# Altium PCB RezzGlasses.PcbDoc
Units mm, origin at the board's own origin, x right, y up, seen from the top; angles counter-clockwise.
Board outline 66 x 66 mm, 2 copper layers (Top Layer, Bottom Layer); 122 components, 69 nets, 366 pads, 239 vias.
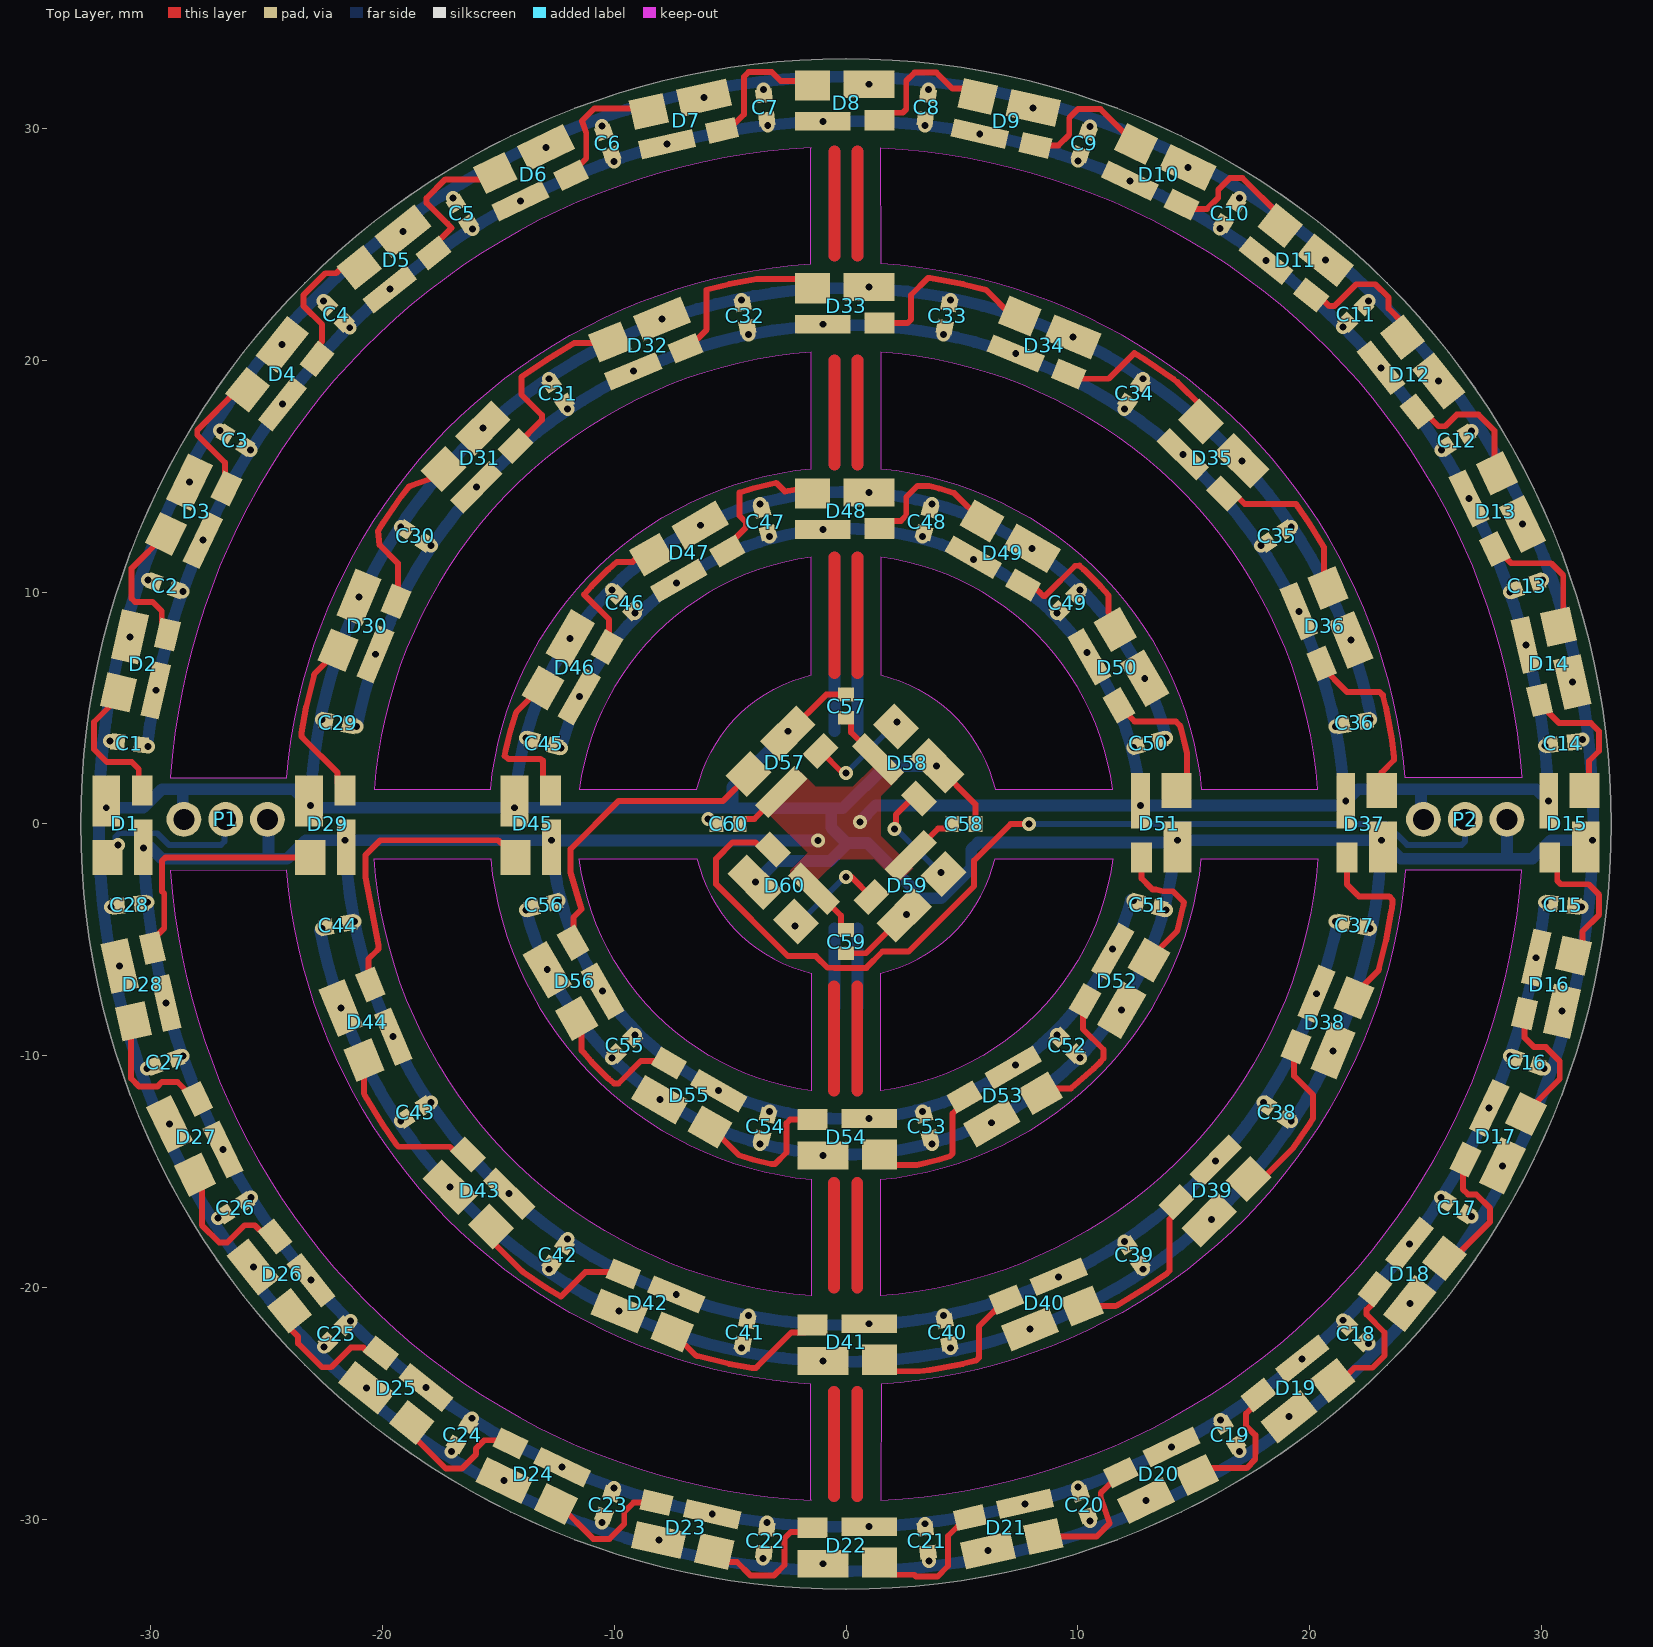
[diagram p0: Top Layer view]
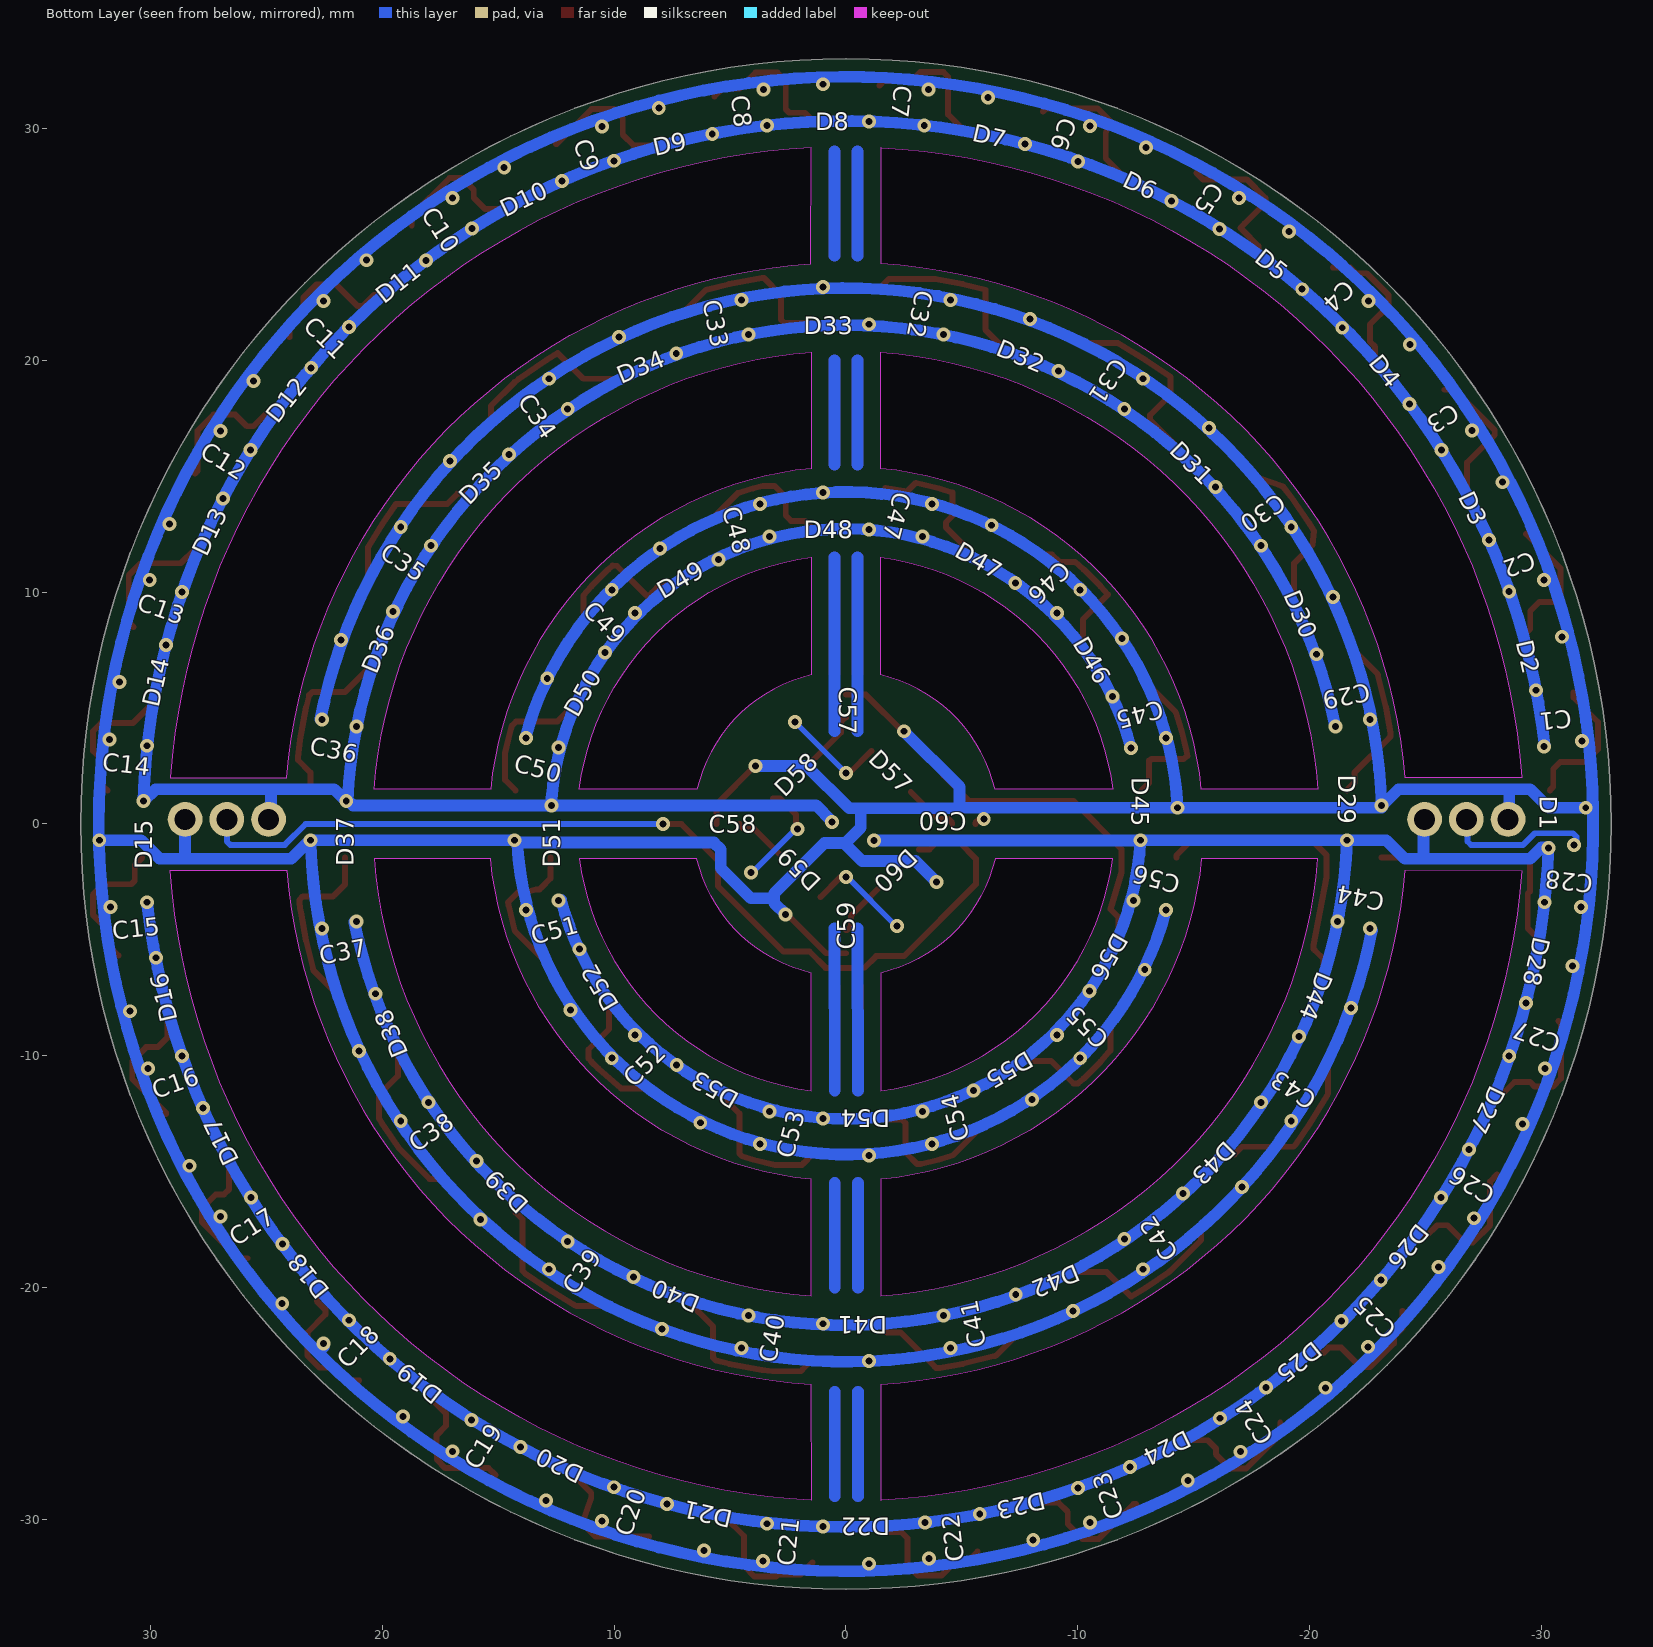
[diagram p1: Bottom Layer view, seen from below]
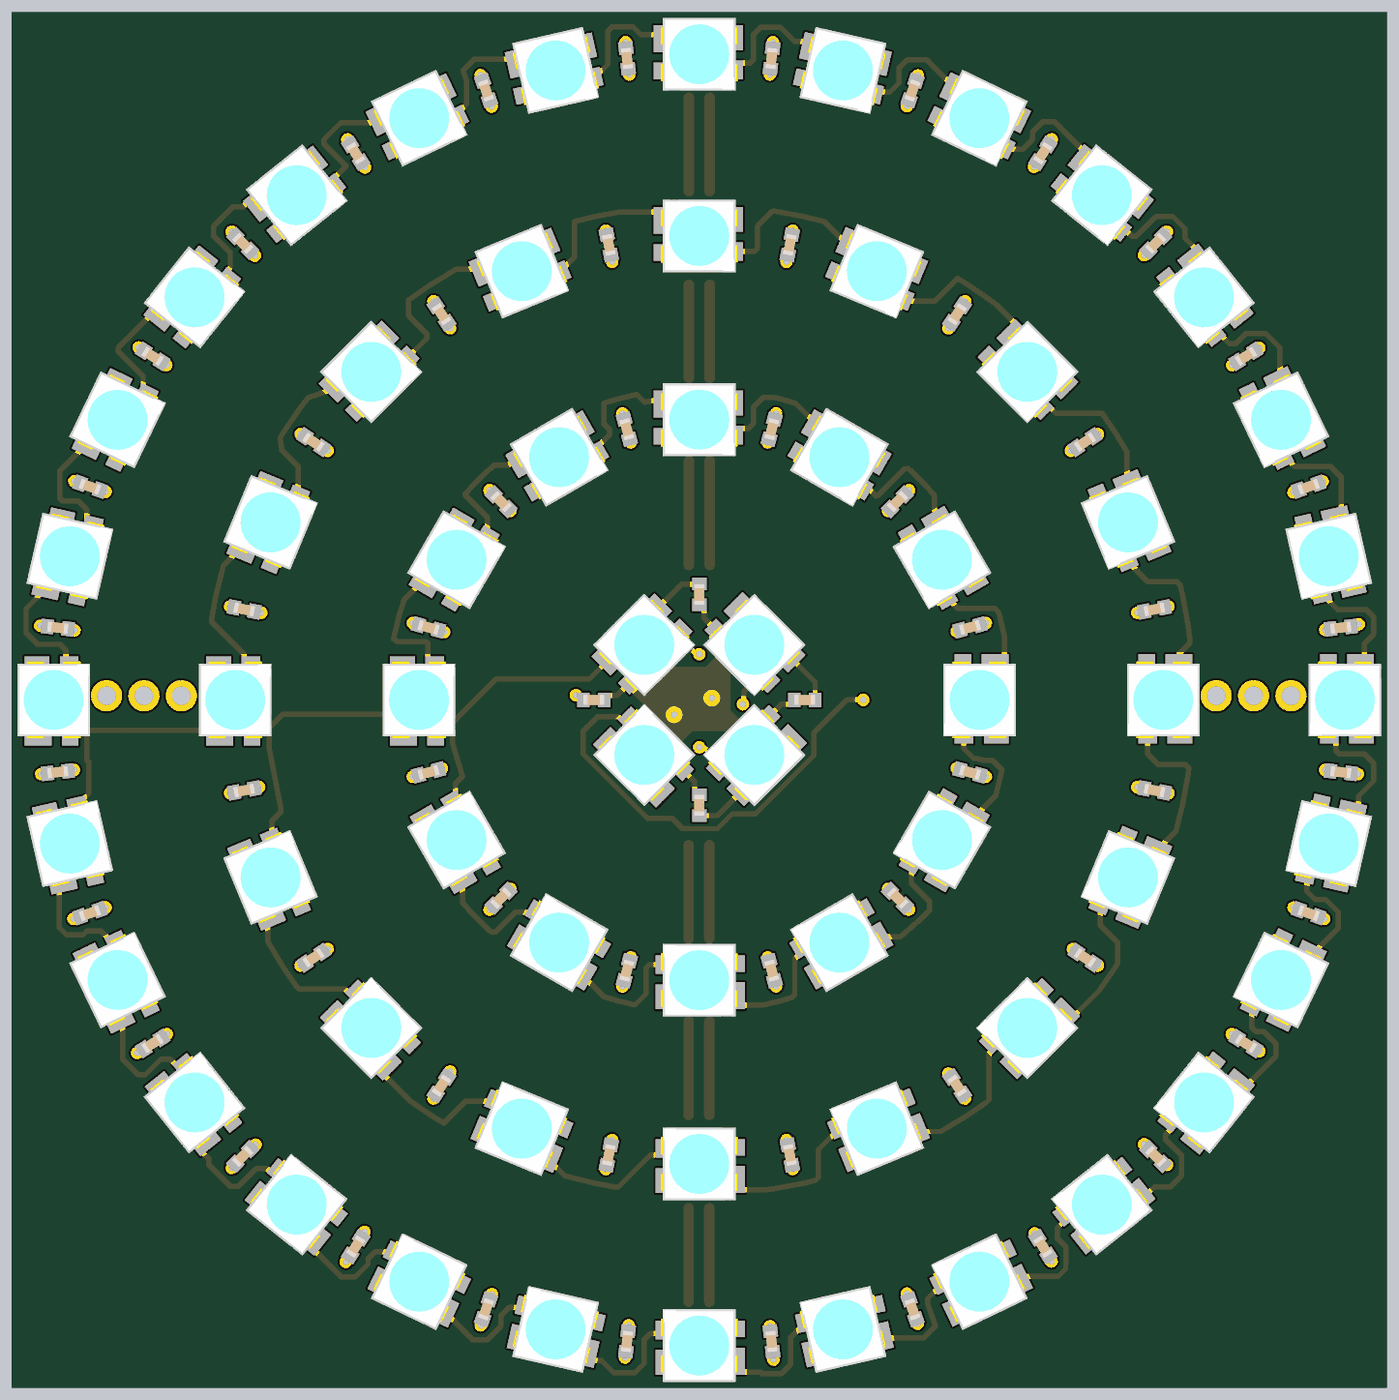
[diagram p2: 3D render of the assembled board from above, using the file's embedded part models]

## Layer stack, top to bottom
Top Solder: solder mask 0.0102, Solder Resist, Dk 3.5
Top Layer: signal copper 0.0356
Dielectric 1: dielectric 0.32, FR-4, Dk 4.8
Bottom Layer: signal copper 0.0356
Bottom Solder: solder mask 0.0102, Solder Resist, Dk 3.5

## Board outline
0,-33 cw(c0,0) -33,0 cw(c0,0) 0,33 cw(c0,0) 33,0 cw(c0,0)
cut-out: -29.131,2 -24.116,2 -24.116,2.01 cw(c0,0) -1.51,24.153 -1.51,29.16 -1.508,29.161 ccw(c0,0)
cut-out: 1.508,-29.161 ccw(c0,0) 29.131,-2.009 29.131,-2 24.116,-2 24.116,-2.01 cw(c0,0) 1.51,-24.153
cut-out: 1.508,29.161 cw(c0,0) 29.131,2.009 29.131,2 24.116,2 24.116,2.01 ccw(c0,0) 1.51,24.153
cut-out: -29.131,-2.009 ccw(c0,0) -1.508,-29.161 -1.51,-29.16 -1.51,-24.153 cw(c0,0) -24.116,-2.01 -24.116,-2
cut-out: -20.345,1.5 -15.327,1.5 cw(c0,0) -1.5,15.327 -1.5,20.345 ccw(c0,0)
cut-out: 1.5,15.327 cw(c0,0) 15.327,1.5 20.345,1.5 ccw(c0,0) 1.5,20.345
cut-out: 1.5,6.427 cw(c0,0) 6.427,1.5 11.502,1.5 11.503,1.5 ccw(c0,0) 1.5,11.503 1.5,11.502
cut-out: -11.502,1.5 -6.427,1.5 cw(c0,0) -1.5,6.427 -1.5,11.502 -1.5,11.503 ccw(c0,0)
cut-out: -1.5,-20.345 cw(c0,0) -20.345,-1.5 -15.327,-1.5 ccw(c0,0) -1.5,-15.327
cut-out: -1.5,-11.503 cw(c0,0) -11.503,-1.5 -11.502,-1.5 -6.427,-1.5 ccw(c0,0) -1.5,-6.427
cut-out: 1.5,-11.502 1.5,-6.427 ccw(c0,0) 6.427,-1.5 11.502,-1.5 11.503,-1.5 cw(c0,0)
cut-out: 1.5,-20.345 1.5,-15.327 ccw(c0,0) 15.327,-1.5 20.345,-1.5 cw(c0,0)

## Design rules (kind name [scope] priority, off if disabled: settings)
Clearance [All] p1: gap=0.203 ignorepadtopadclearanceinfootprint=FALSE
MinimumSolderMaskSliver [All] p1: minsoldermaskwidth=0.076
PolygonConnect [All] p1: connectstyle=Direct reliefconductorwidth=0.254 reliefentries=4 polygonreliefangle="90 Angle" airgapwidth=0.254
RoutingVias [All] p1: holewidth=0.711 width=1.27 viastyle="Through Hole" minholewidth=0.711 minwidth=1.27 maxholewidth=0.711 maxwidth=1.27
SolderMaskExpansion [All] p1: expansion=0.102 istentingtop=FALSE
Width [All] p1: maxlimit=1.27 minlimit=0.254 preferedwidth=0.254
29 further rules are at their usual default settings.

## Classes and differential pairs
component class LEDChain2: C41 C42 C43 C44 C45 C46 C47 C48 C49 C50 C51 C52 C53 C54 C55 C56 C57 C58 C59 C60 D41 D42 D43 D44 D45 D46 D47 D48 D49 D50 D51 D52 D53 D54 D55 D56 D57 D58 D59 D60 P1 P2
component class LEDChain1: C1 C2 C3 C4 C5 C6 C7 C8 C9 C10 C11 C12 C13 C14 C15 C16 C17 C18 C19 C20 C21 C22 C23 C24 C25 C26 C27 C28 C29 C30 C31 C32 C33 C34 C35 C36 C37 C38 C39 C40 D1 D2 D3 D4 D5 D6 D7 D8 D9 D10 D11 D12 D13 D14 D15 D16 D17 D18 D19 D20 D21 D22 D23 D24 D25 D26 D27 D28 D29 D30 D31 D32 D33 D34 D35 D36 D37 D38 D39 D40

## Components (designator, comment, footprint, x,y, rotation, side; value= is the part's Value field where it differs from the comment)
C1 "100nF" 0402_CAP -30.9,3.48 r173.57 top
C2 "100nF" 0402_CAP -29.35,10.27 r160.71 top
C3 "100nF" 0402_CAP -26.33,16.55 r147.86 top
C4 "100nF" 0402_CAP -21.99,21.99 r135 top
C5 "100nF" 0402_CAP -16.55,26.33 r122.14 top
C6 "100nF" 0402_CAP -10.27,29.35 r109.29 top
C7 "100nF" 0402_CAP -3.48,30.9 r96.43 top
C8 "100nF" 0402_CAP 3.48,30.9 r83.57 top
C9 "100nF" 0402_CAP 10.27,29.35 r70.71 top
C10 "100nF" 0402_CAP 16.55,26.33 r57.86 top
C11 "100nF" 0402_CAP 21.99,21.99 r45 top
C12 "100nF" 0402_CAP 26.33,16.55 r32.14 top
C13 "100nF" 0402_CAP 29.35,10.27 r19.29 top
C14 "100nF" 0402_CAP 30.9,3.48 r6.43 top
C15 "100nF" 0402_CAP 30.9,-3.48 r353.57 top
C16 "100nF" 0402_CAP 29.35,-10.27 r340.71 top
C17 "100nF" 0402_CAP 26.33,-16.55 r327.86 top
C18 "100nF" 0402_CAP 21.99,-21.99 r315 top
C19 "100nF" 0402_CAP 16.55,-26.33 r302.14 top
C20 "100nF" 0402_CAP 10.27,-29.35 r289.29 top
C21 "100nF" 0402_CAP 3.48,-30.9 r276.43 top
C22 "100nF" 0402_CAP -3.48,-30.9 r263.57 top
C23 "100nF" 0402_CAP -10.27,-29.35 r250.71 top
C24 "100nF" 0402_CAP -16.55,-26.33 r237.86 top
C25 "100nF" 0402_CAP -21.99,-21.99 r225 top
C26 "100nF" 0402_CAP -26.33,-16.55 r212.14 top
C27 "100nF" 0402_CAP -29.35,-10.27 r199.29 top
C28 "100nF" 0402_CAP -30.9,-3.48 r186.43 top
C29 "100nF" 0402_CAP -21.92,4.36 r168.75 top
C30 "100nF" 0402_CAP -18.58,12.42 r146.25 top
C31 "100nF" 0402_CAP -12.42,18.58 r123.75 top
C32 "100nF" 0402_CAP -4.36,21.92 r101.25 top
C33 "100nF" 0402_CAP 4.36,21.92 r78.75 top
C34 "100nF" 0402_CAP 12.42,18.58 r56.25 top
C35 "100nF" 0402_CAP 18.58,12.42 r33.75 top
C36 "100nF" 0402_CAP 21.92,4.36 r11.25 top
C37 "100nF" 0402_CAP 21.92,-4.36 r348.75 top
C38 "100nF" 0402_CAP 18.58,-12.42 r326.25 top
C39 "100nF" 0402_CAP 12.42,-18.58 r303.75 top
C40 "100nF" 0402_CAP 4.36,-21.92 r281.25 top
C41 "100nF" 0402_CAP -4.36,-21.92 r258.75 top
C42 "100nF" 0402_CAP -12.42,-18.58 r236.25 top
C43 "100nF" 0402_CAP -18.58,-12.42 r213.75 top
C44 "100nF" 0402_CAP -21.92,-4.36 r191.25 top
C45 "100nF" 0402_CAP -13.04,3.49 r165 top
C46 "100nF" 0402_CAP -9.55,9.55 r135 top
C47 "100nF" 0402_CAP -3.49,13.04 r105 top
C48 "100nF" 0402_CAP 3.49,13.04 r75 top
C49 "100nF" 0402_CAP 9.55,9.55 r45 top
C50 "100nF" 0402_CAP 13.04,3.49 r15 top
C51 "100nF" 0402_CAP 13.04,-3.49 r345 top
C52 "100nF" 0402_CAP 9.55,-9.55 r315 top
C53 "100nF" 0402_CAP 3.49,-13.04 r285 top
C54 "100nF" 0402_CAP -3.49,-13.04 r255 top
C55 "100nF" 0402_CAP -9.55,-9.55 r225 top
C56 "100nF" 0402_CAP -13.04,-3.49 r195 top
C57 "100nF" 0402_CAP 0,5.08 r90 top
C58 "100nF" 0402_CAP 5.08,0 r0 top
C59 "100nF" 0402_CAP 0,-5.072 r270 top
C60 "100nF" 0402_CAP -5.08,0 r180 top
D1 "Neopixel Mini" "SK6812 (3535)" -31.1,0 r90 top
D2 "Neopixel Mini" "SK6812 (3535)" -30.32,6.92 r77.14 top
D3 "Neopixel Mini" "SK6812 (3535)" -28.02,13.49 r64.28 top
D4 "Neopixel Mini" "SK6812 (3535)" -24.31,19.39 r51.43 top
D5 "Neopixel Mini" "SK6812 (3535)" -19.39,24.31 r38.57 top
D6 "Neopixel Mini" "SK6812 (3535)" -13.49,28.02 r25.71 top
D7 "Neopixel Mini" "SK6812 (3535)" -6.92,30.32 r12.86 top
D8 "Neopixel Mini" "SK6812 (3535)" 0,31.1 r0 top
D9 "Neopixel Mini" "SK6812 (3535)" 6.92,30.32 r347.14 top
D10 "Neopixel Mini" "SK6812 (3535)" 13.49,28.02 r334.29 top
D11 "Neopixel Mini" "SK6812 (3535)" 19.39,24.31 r321.43 top
D12 "Neopixel Mini" "SK6812 (3535)" 24.31,19.39 r308.57 top
D13 "Neopixel Mini" "SK6812 (3535)" 28.02,13.49 r295.71 top
D14 "Neopixel Mini" "SK6812 (3535)" 30.32,6.92 r282.86 top
D15 "Neopixel Mini" "SK6812 (3535)" 31.1,0 r270 top
D16 "Neopixel Mini" "SK6812 (3535)" 30.32,-6.92 r257.14 top
D17 "Neopixel Mini" "SK6812 (3535)" 28.02,-13.49 r244.29 top
D18 "Neopixel Mini" "SK6812 (3535)" 24.31,-19.39 r231.43 top
D19 "Neopixel Mini" "SK6812 (3535)" 19.39,-24.31 r218.57 top
D20 "Neopixel Mini" "SK6812 (3535)" 13.49,-28.02 r205.71 top
D21 "Neopixel Mini" "SK6812 (3535)" 6.92,-30.32 r192.86 top
D22 "Neopixel Mini" "SK6812 (3535)" 0,-31.1 r180 top
D23 "Neopixel Mini" "SK6812 (3535)" -6.92,-30.32 r167.14 top
D24 "Neopixel Mini" "SK6812 (3535)" -13.49,-28.02 r154.29 top
D25 "Neopixel Mini" "SK6812 (3535)" -19.39,-24.31 r141.43 top
D26 "Neopixel Mini" "SK6812 (3535)" -24.31,-19.39 r128.57 top
D27 "Neopixel Mini" "SK6812 (3535)" -28.02,-13.49 r115.71 top
D28 "Neopixel Mini" "SK6812 (3535)" -30.32,-6.92 r102.86 top
D29 "Neopixel Mini" "SK6812 (3535)" -22.35,0 r90 top
D30 "Neopixel Mini" "SK6812 (3535)" -20.65,8.55 r67.5 top
D31 "Neopixel Mini" "SK6812 (3535)" -15.8,15.8 r45 top
D32 "Neopixel Mini" "SK6812 (3535)" -8.55,20.65 r22.5 top
D33 "Neopixel Mini" "SK6812 (3535)" 0,22.35 r0 top
D34 "Neopixel Mini" "SK6812 (3535)" 8.55,20.65 r337.5 top
D35 "Neopixel Mini" "SK6812 (3535)" 15.8,15.8 r315 top
D36 "Neopixel Mini" "SK6812 (3535)" 20.65,8.55 r292.5 top
D37 "Neopixel Mini" "SK6812 (3535)" 22.35,0 r270 top
D38 "Neopixel Mini" "SK6812 (3535)" 20.65,-8.55 r247.5 top
D39 "Neopixel Mini" "SK6812 (3535)" 15.8,-15.8 r225 top
D40 "Neopixel Mini" "SK6812 (3535)" 8.55,-20.65 r202.5 top
D41 "Neopixel Mini" "SK6812 (3535)" 0,-22.35 r180 top
D42 "Neopixel Mini" "SK6812 (3535)" -8.55,-20.65 r157.5 top
D43 "Neopixel Mini" "SK6812 (3535)" -15.8,-15.8 r135 top
D44 "Neopixel Mini" "SK6812 (3535)" -20.65,-8.55 r112.5 top
D45 "Neopixel Mini" "SK6812 (3535)" -13.5,0 r90 top
D46 "Neopixel Mini" "SK6812 (3535)" -11.69,6.75 r60 top
D47 "Neopixel Mini" "SK6812 (3535)" -6.75,11.69 r30 top
D48 "Neopixel Mini" "SK6812 (3535)" 0,13.5 r0 top
D49 "Neopixel Mini" "SK6812 (3535)" 6.75,11.69 r330 top
D50 "Neopixel Mini" "SK6812 (3535)" 11.69,6.75 r300 top
D51 "Neopixel Mini" "SK6812 (3535)" 13.5,0 r270 top
D52 "Neopixel Mini" "SK6812 (3535)" 11.69,-6.75 r240 top
D53 "Neopixel Mini" "SK6812 (3535)" 6.75,-11.69 r210 top
D54 "Neopixel Mini" "SK6812 (3535)" 0,-13.5 r180 top
D55 "Neopixel Mini" "SK6812 (3535)" -6.75,-11.69 r150 top
D56 "Neopixel Mini" "SK6812 (3535)" -11.69,-6.75 r120 top
D57 "Neopixel Mini" "SK6812 (3535)" -2.65,2.65 r45 top
D58 "Neopixel Mini" "SK6812 (3535)" 2.65,2.65 r315 top
D59 "Neopixel Mini" "SK6812 (3535)" 2.65,-2.65 r225 top
D60 "Neopixel Mini" "SK6812 (3535)" -2.65,-2.65 r135 top
P1 "HEADER_1x3_TIGHT" "PIN3 - TIGHT" -24.95,0.2 r180 top
P2 "HEADER_1x3_TIGHT" "PIN3 - TIGHT" 24.9,0.2 r0 top

## Footprints (in the part's own frame and the unit in brackets; to place one, negate y for a bottom-side part, rotate by r counter-clockwise, add the part's x,y. Pads: shape width x height; smd on the part's side, far side on the other; paste and mask are expansions set on the pad)
0402_CAP [mm]
  rect 0.6x0.7 smd: 1(-0.5,0) 2(0.5,0)
  body extent -0.5,-0.25 0.5,0.25, height 0.51
"PIN3 - TIGHT" [mm] "2x1 Header 0.1mm"
  round 1.5 hole 0.9: 1(0,0) 2(1.8,0) 3(3.6,0)
"SK6812 (3535)" [mm] "Neopixel Mini"
  rect 1.3x0.9 smd: 1(1.45,-0.75)
  rect 2.2x1.2 smd: 2(1,0.8)
  rect 1.5x1.3 smd: 3(-1.45,0.75)
  rect 2.4x0.8 smd: 4(-1,-0.8)
  body extent -1.85,-1.75 1.85,1.75, height 1

## Part data
C1 C2 C3 C4 C5 C6 C7 C8 C9 C10 C11 C12 C13 C14 C15 C16 C17 C18 C19 C20 C21 C22 C23 C24 C25 C26 C27 C28 C29 C30 C31 C32 C33 C34 C35 C36 C37 C38 C39 C40 C41 C42 C43 C44 C45 C46 C47 C48 C49 C50 C51 C52 C53 C54 C55 C56 C57 C58 C59 C60: library part CAP_100N_0603, "CAP CER 0.1UF 16V X7R 0402", Supplier Part Number 1=587-1451-1-ND, LatestRevisionDate=17-Jul-2002, LatestRevisionNote="Re-released for DXP Platform.", PackageDescription="Radial Cap, Thru-Hole; 2 Leads; 0.3 in Pin Spacing", PackageReference=RAD-0.3, Published=8-Jun-2000, Publisher="Altium Limited", Supplier 1=Digi-Key
D1 D2 D3 D4 D5 D6 D7 D8 D9 D10 D11 D12 D13 D14 D15 D16 D17 D18 D19 D20 D21 D22 D23 D24 D25 D26 D27 D28 D29 D30 D31 D32 D33 D34 D35 D36 D37 D38 D39 D40 D41 D42 D43 D44 D45 D46 D47 D48 D49 D50 D51 D52 D53 D54 D55 D56 D57 D58 D59 D60: library part SK6812MINI-B-001, "ADDRESS LED DISC SERIAL RGB", Supplier Part Number 1=1528-1541-ND, Supplier 1=Digi-Key

## Via types
v1: diameter 0.6, hole 0.3, Top Layer to Bottom Layer, 239 vias

## Nets (pads, with @x,y where several pads share a name; then routed paths per layer and width w, separated by ;. In a path a pad name is that pad's centre, name@x,y a point inside that pad or via, vN(x,y) a via of type N, cw(c..) or ccw(c..) an arc to the next point about the centre after c; other vN are vias at no path point)
DOUT: D60.1 P2.2 | length 42.6
  Top Layer w0.254: D60.1 -3.602,-1.094 -3.896,-0.8 -4.9,-0.8 -5.6,-1.5 -5.6,-2.6 -2.5,-5.7 -1.3,-5.7 -0.8,-6.2 -0.489,-6.2 -0.487,-6.202 0.876,-6.202 1.578,-5.5 2.7,-5.5 5.526,-2.674 5.526,-1.574 7.1,0 v1(7.9,0)
  Bottom Layer w0.254: v1(7.9,0) 23.3,0 24.2,-0.9 26.551,-0.9 26.7,-0.751 P2.2 P2.2@26.7,0.4
GND: C1.2 C2.2 C3.2 C4.2 C5.2 C6.2 C7.2 C8.2 C9.2 C10.2 C11.2 C12.2 C13.2 C14.2 C15.2 C16.2 C17.2 C18.2 C19.2 C20.2 C21.2 C22.2 C23.2 C24.2 C25.2 C26.2 C27.2 C28.2 C29.2 C30.2 C31.2 C32.2 C33.2 C34.2 C35.2 C36.2 C37.2 C38.2 C39.2 C40.2 C41.2 C42.2 C43.2 C44.2 C45.2 C46.2 C47.2 C48.2 C49.2 C50.2 C51.2 C52.2 C53.2 C54.2 C55.2 C56.2 C57.2 C58.2 C59.2 C60.2 D1.2 D2.2 D3.2 D4.2 D5.2 D6.2 D7.2 D8.2 D9.2 D10.2 D11.2 D12.2 D13.2 D14.2 D15.2 D16.2 D17.2 D18.2 D19.2 D20.2 D21.2 D22.2 D23.2 D24.2 D25.2 D26.2 D27.2 D28.2 D29.2 D30.2 D31.2 D32.2 D33.2 D34.2 D35.2 D36.2 D37.2 D38.2 D39.2 D40.2 D41.2 D42.2 D43.2 D44.2 D45.2 D46.2 D47.2 D48.2 D49.2 D50.2 D51.2 D52.2 D53.2 D54.2 D55.2 D56.2 D57.2 D58.2 D59.2 D60.2 P1.3 P2.3 | length 515.4
  Top Layer w0.254: v1(-5.941,0.223) -5.753,0.223 -5.58,0.05 C60.2 ; D57.2 -0.851,5.58 C57.2 ; C59.2 0.859,-5.572 D59.2 ; D58.2 5.58,0.851 C58.2
  Bottom Layer w0.508: v1(-31.9,0.7) -30.3,0.7 -29.5,1.5 -28.6,1.5 ; P1.3@-28.6,0.1 -28.6,1.5 ; v1(-23.1,0.8) -23.125,0.8 -23.825,1.5 -28.6,1.5 ; v1@-22.679,-4.594 ccw(c-0.013,-0.081) v1@23.083,-0.9 ; v1@-22.585,-22.61 v1(-22.518,-22.543) ; v1(-13.8,-3.7) ccw(c-0.044,-0.012) v1@14.173,-0.855 ; v1(-3.9,-2.5) -3,-1.6 -0.7,-1.6 0.057,-0.843 -0.633,-0.152 -0.633,0.675 ; v1(-2.5,4) -4.9,1.6 -4.9,0.7 ; 0.057,-0.825 0.925,-0.825 1,-0.9 3.09,-2.99 3.09,-3.2 ; v1(2.6,-3.9) 3.09,-3.41 3.09,-3.2 ; v1(3.9,2.5) 1.685,2.5 -0.14,0.675 -0.633,0.675 ; v1(10.525,-30.048) 10.525,-30.122 v1@10.565,-30.161 ; v1@13.824,3.726 ccw(c0,0) v1(-14.3,0.7) ; v1(22.533,-22.395) 22.533,-22.564 v1@22.582,-22.613 ; v1@22.666,4.513 ccw(c0,0) -23.1,0.7 v1(-14.3,0.7) ; P2.3@28.5,0 28.5,-1.5 ; v1(32.2,-0.7) 30.4,-0.7 29.6,-1.5 28.5,-1.5 ; v1(-14.3,0.7) -4.9,0.7 ; -4.9,0.7 -4.875,0.675 -0.633,0.675 ; 3.09,-3.2 4.1,-3.2 5.4,-1.9 5.4,-1.098 5.698,-0.8 14.173,-0.8 14.175,-0.8 14.275,-0.7 23.083,-0.7 23.125,-0.7 23.204,-0.779 23.925,-1.5 28.5,-1.5 ; 32.222,0 ccw(c0,0) 32.222,0
  other v1: -1,-31.9 3.575,-31.776 -3.575,-31.675 6.123,-31.322 -8.073,-30.877 -10.525,-30.125 12.936,-29.175 -14.738,-28.307 -17.018,-27.068 16.969,-27.05 19.107,-25.559 -20.671,-24.312 -1,-23.15 -4.5,-22.6 4.5,-22.6 7.932,-21.772 -9.78,-21.006 24.312,-20.671 -12.8,-19.2 12.8,-19.2 -25.559,-19.107 15.755,-17.061 -27.075,-17 26.975,-16.925 -17.073,-15.659 28.307,-14.738 -1,-14.3 -3.7,-13.8 3.7,-13.8 -29.175,-12.936 6.284,-12.883 -19.2,-12.8 19.2,-12.8 -8.016,-11.883 -30.144,-10.55 30.1,-10.55 -10.1,-10.1 10.1,-10.1 21.006,-9.78 30.877,-8.073 11.883,-8.016 -21.772,-7.932 -12.883,-6.284 -31.322,-6.123 -22.6,-4.5 22.6,-4.5 13.8,-3.7 -31.7,-3.575 31.725,-3.575 14.3,-0.7 23.1,-0.7 -31.744,3.575 31.763,3.642 -13.8,3.7 13.8,3.7 -22.6,4.5 22.6,4.5 31.322,6.123 12.883,6.284 21.772,7.932 -11.9,8 -30.877,8.073 -21.006,9.78 -10.1,10.1 10.1,10.1 -30.1,10.53 30.025,10.525 8.016,11.883 -19.2,12.8 19.2,12.8 -6.284,12.883 29.175,12.936 -3.7,13.8 3.7,13.8 1,14.3 -28.307,14.738 17.073,15.659 26.975,16.95 -27,16.975 -15.659,17.073 25.559,19.107 -12.8,19.2 12.8,19.2 -24.312,20.671 9.78,21.006 -7.932,21.772 -22.525,22.55 22.525,22.55 -4.5,22.6 4.5,22.6 1,23.15 20.671,24.312 -19.107,25.559 -16.95,27 16.975,27 14.738,28.307 -12.936,29.175 10.525,30.075 -10.525,30.1 8.073,30.877 -6.123,31.322 -3.55,31.675 3.55,31.675 1,31.9
LED1: D1.3 P1.2 | length 6.4
  Bottom Layer w0.254: v1(-31.4,-0.9) -31.5,-0.8 -31.5,-0.549 -31.351,-0.4 -29.7,-0.4 -29.2,-0.9 -26.949,-0.9 -26.8,-0.751 -26.8,0.1 P1.2@-26.7,0.2
LED2: D8.1 D9.3 | length 6.2
  Top Layer w0.254: D8.1 1.773,30.673 2.451,30.673 2.6,30.822 2.6,32.05 2.95,32.4 3.903,32.4 4.592,31.711 5.336,31.711 D9.3
LED3: D16.1 D17.3 | length 5.9
  Top Layer w0.254: D16.1 29.266,-9.216 29.675,-9.625 30.18,-9.625 30.781,-10.225 30.781,-10.994 29.325,-12.45 D17.3
LED4: D24.1 D25.3 | length 6.1
  Top Layer w0.254: D25.3 -18.724,-26.326 -17.25,-27.8 -16.575,-27.8 -15.95,-27.175 -15.95,-26.925 -15.6,-26.575 -14.611,-26.575 D24.1
LED5: D32.1 D33.3 | length 7.7
  Top Layer w0.254: D32.1 -6.815,20.512 -6.011,21.316 -6.011,23.039 -5.036,23.28 -5.029,23.282 -3.849,23.5 -1.85,23.5 D33.3
LED6: D40.1 D41.3 | length 7.6
  Top Layer w0.254: D41.3 1.872,-23.522 1.947,-23.597 3.178,-23.597 3.618,-23.542 3.625,-23.541 5.036,-23.28 5.603,-23.14 5.727,-23.015 5.727,-21.673 6.888,-20.512 D40.1
LED7: D48.1 D49.3 | length 6.2
  Top Layer w0.254: D48.1 1.773,13.073 2.373,13.073 2.6,13.3 2.6,14.1 3.075,14.575 3.587,14.575 3.999,14.477 4.007,14.474 4.667,14.267 D49.3
LED8: D56.1 D57.3 | length 13.3
  Top Layer w0.254: D56.1 -11.753,-5.107 -11.753,-4.024 -11.405,-3.676 -11.884,-2.094 -11.884,-1.084 -9.8,1 -5.3,1 -4.206,2.094 D57.3
MISO: 
MOSI: 
NetD1_1: D1.1 D2.3 | length 6.1
  Top Layer w0.254: D2.3 -31.374,5.451 -32.425,4.4 -32.425,3.225 -31.875,2.675 -30.8,2.675 -30.5,2.375 -30.5,1.6 D1.1
NetD2_1: D2.1 D3.3 | length 6
  Top Layer w0.254: D3.3 -30.806,11.028 -30.806,9.724 -30.657,9.575 -29.9,9.575 -29.508,9.183 -29.508,8.408 D2.1
NetD3_1: D3.1 D4.3 | length 5.9
  Top Layer w0.254: D3.1 -26.786,14.542 -26.786,15.586 -27.976,16.776 -27.976,16.986 -26.238,18.724 D4.3
NetD4_1: D4.1 D5.3 | length 6.1
  Top Layer w0.254: D4.1 -22.82,20.574 -22.591,20.803 -22.591,21.541 -23.4,22.35 -23.4,22.8 -22.45,23.75 -21.986,23.75 -21.743,23.992 D5.3
NetD5_1: D5.1 D6.3 | length 6.5
  Top Layer w0.254: D5.1 -17.789,24.927 -17.113,25.603 -17.017,25.7 -17.047,25.747 -17.188,25.888 -18.082,26.782 -18.082,26.993 -17.275,27.8 -15.388,27.8 D6.3
NetD6_1: D6.1 D7.3 | length 5.8
  Top Layer w0.254: D6.1 -11.858,28.036 -11.2,28.694 -11.2,29.794 -11.384,30.319 -10.844,30.859 -8.631,30.859 D7.3
NetD7_1: D7.1 D8.3 | length 6.1
  Top Layer w0.254: D7.1 -5.089,29.911 -4.4,30.6 -4.4,32.225 -4.2,32.425 -3.2,32.425 -2.813,32.038 -1.638,32.038 D8.3
NetD9_1: D9.1 D10.3 | length 6
  Top Layer w0.254: D9.1 9.166,29.266 9.625,29.725 9.625,30.45 10,30.825 10.975,30.825 12.475,29.325 D10.3
NetD10_1: D10.1 D11.3 | length 6.2
  Top Layer w0.254: D10.1 14.661,26.525 15.575,26.525 16.05,27 16.05,27.35 16.55,27.85 17.1,27.85 18.724,26.226 D11.3
NetD11_1: D11.1 D12.3 | length 6.1
  Top Layer w0.254: D11.1 20.355,22.82 20.845,22.33 21.055,22.33 22,23.275 22.825,23.275 23.4,22.7 23.4,22.23 23.992,21.638 D12.3
NetD12_1: D12.1 D13.3 | length 6
  Top Layer w0.254: D12.1 24.911,17.789 25.55,17.15 25.836,17.15 26.339,17.653 27.272,17.653 27.969,16.956 27.969,15.22 D13.3
NetD13_1: D13.1 D14.3 | length 5.7
  Top Layer w0.254: D13.1 28.069,11.858 28.683,11.244 29.921,11.244 29.925,11.246 30.147,11.246 30.149,11.244 30.406,11.244 30.929,10.721 30.929,8.701 D14.3
NetD14_1: D14.1 D15.3 | length 6
  Top Layer w0.254: D14.1 29.911,5.189 30.75,4.35 32.125,4.35 32.475,4 32.475,3.15 32.041,2.716 32.041,1.641 D15.3
NetD15_1: D15.1 D16.3 | length 6.3
  Top Layer w0.254: D15.1 30.673,-1.773 30.673,-2.451 30.822,-2.6 32.025,-2.6 32.48,-3.055 32.48,-3.908 31.753,-4.635 31.753,-5.294 D16.3
NetD17_1: D17.1 D18.3 | length 6
  Top Layer w0.254: D18.3 26.201,-18.724 27.775,-17.15 27.775,-16.575 27.179,-15.979 26.829,-15.979 26.6,-15.75 26.6,-14.586 D17.1
NetD18_1: D18.1 D19.3 | length 6
  Top Layer w0.254: D19.3 21.383,-23.992 21.925,-23.45 22.701,-23.45 23.225,-22.926 23.225,-21.925 22.452,-21.152 22.452,-20.942 22.82,-20.574 D18.1
NetD19_1: D19.1 D20.3 | length 6
  Top Layer w0.254: D20.3 15.413,-27.775 17.275,-27.775 17.65,-27.4 17.65,-27.15 17.653,-27.147 17.653,-26.353 17.25,-25.95 17.25,-25.425 17.789,-24.886 D19.1
NetD20_1: D20.1 D21.3 | length 5.7
  Top Layer w0.254: D21.3 10.807,-30.729 11.376,-30.16 10.987,-29.048 10.987,-28.845 11.047,-28.785 D20.1
NetD21_1: D21.1 D22.3 | length 6
  Top Layer w0.254: D22.3 1.973,-32.373 2.948,-32.373 3.032,-32.457 3.943,-32.457 4.4,-32 4.4,-30.7 5.189,-29.911 D21.1
NetD22_1: D22.1 D23.3 | length 6.2
  Top Layer w0.254: D23.3 -5.225,-31.822 -4.703,-31.822 -4.125,-32.4 -3.1,-32.4 -2.65,-31.95 -2.65,-30.8 -2.375,-30.525 -1.625,-30.525 D22.1
NetD23_1: D23.1 D24.3 | length 5.9
  Top Layer w0.254: D24.3 -12.4,-29.325 -10.9,-30.825 -10.2,-30.825 -9.564,-30.189 -9.564,-29.664 -9.166,-29.266 D23.1
NetD25_1: D25.1 D26.3 | length 6
  Top Layer w0.254: D26.3 -23.992,-21.743 -23.625,-22.111 -23.625,-22.4 -22.6,-23.425 -22.2,-23.425 -21.355,-22.58 -20.814,-22.58 -20.574,-22.82 D25.1
NetD26_1: D26.1 D27.3 | length 6.3
  Top Layer w0.254: D27.3 -27.775,-15.413 -27.775,-17.3 -27.025,-18.05 -26.682,-18.05 -25.937,-17.305 -25.495,-17.305 -25.011,-17.789 D26.1
NetD27_1: D27.1 D28.3 | length 5.9
  Top Layer w0.254: D28.3 -30.825,-8.597 -30.825,-10.975 -30.475,-11.325 -29.7,-11.325 -29.5,-11.125 -28.825,-11.125 -28.092,-11.858 D27.1
NetD28_1: D28.1 D29.3 | length 9.8
  Top Layer w0.254: D28.1@-29.7,-4.8 -29.4,-4.5 -29.4,-3 -29.5,-2.9 -29.5,-1.599 -29.351,-1.45 D29.3
NetD29_1: D29.1 D30.3 | length 7.3
  Top Layer w0.254: D30.3 -22.92,6.475 -22.935,6.429 -23.279,5.043 -23.28,5.036 -23.486,3.926 -23.486,3.771 -23.416,3.7 -21.923,2.208 -21.923,1.773 D29.1
NetD30_1: D30.1 D31.3 | length 7.5
  Top Layer w0.254: D30.1 -19.326,9.679 -19.326,11.243 -20.111,12.029 -20.184,12.631 -20.139,12.706 -19.995,12.944 -19.99,12.95 -19.179,14.125 -18.842,14.555 -18.772,14.579 -17.356,15.076 D31.3
NetD31_1: D31.1 D32.3 | length 8.1
  Top Layer w0.254: D31.1 -13.115,17.424 -13.115,17.634 -13.996,18.515 -13.996,19.268 -12.944,19.995 -12.938,19.999 -11.717,20.738 -11.694,20.75 -10.215,20.75 D32.3
NetD33_1: D33.1 D34.3 | length 8
  Top Layer w0.254: D33.1 2.652,21.6 2.801,21.749 2.801,22.809 3.544,23.551 3.625,23.541 5.036,23.28 5.043,23.279 5.966,23.05 6.034,23.033 7.169,21.898 D34.3
NetD34_1: D34.1 D35.3 | length 7.7
  Top Layer w0.254: D34.1 9.805,19.2 11.326,19.2 12.431,20.305 12.938,19.999 12.944,19.995 14.118,19.183 14.125,19.179 14.287,19.052 15.305,18.034 D35.3
NetD35_1: D35.1 D36.3 | length 7.3
  Top Layer w0.254: D35.1 16.752,14.244 17.196,13.8 19.403,13.8 19.995,12.944 20.57,11.994 20.607,11.933 20.607,10.358 D36.3
NetD36_1: D36.1 D37.3 | length 7.7
  Top Layer w0.254: D36.1 20.512,6.788 21.6,5.7 23.006,5.7 23.152,5.555 23.28,5.036 23.282,5.029 23.54,3.633 23.541,3.625 23.633,2.878 23.633,2.757 23.1,2.224 D37.3
NetD37_1: D37.1 D38.3 | length 8.1
  Top Layer w0.254: D37.1 21.6,-2.6 22.047,-3.047 22.122,-3.122 23.421,-3.122 23.57,-3.271 23.57,-3.391 23.541,-3.625 23.507,-3.809 23.28,-5.036 22.978,-6.254 22.961,-6.322 22.911,-6.372 21.898,-7.386 D38.3
NetD38_1: D38.1 D39.3 | length 7.5
  Top Layer w0.254: D39.3 17.955,-15.305 19.276,-13.984 19.885,-13.103 19.995,-12.944 20.146,-12.695 20.146,-11.683 19.326,-10.863 19.326,-9.679 D38.1
NetD39_1: D39.1 D40.3 | length 7.3
  Top Layer w0.254: D40.3 11.621,-20.788 11.717,-20.738 12.944,-19.995 12.95,-19.99 13.842,-19.374 13.952,-19.265 13.952,-17.044 14.244,-16.752 D39.1
NetD41_1: D41.1 D42.3 | length 7.3
  Top Layer w0.254: D42.3 -6.475,-22.92 -6.429,-22.935 -5.036,-23.28 -4.05,-23.463 -3.894,-23.463 -3.824,-23.393 -2.354,-21.923 -1.773,-21.923 D41.1
NetD42_1: D42.1 D43.3 | length 7.6
  Top Layer w0.254: D43.3 -15.305,-17.945 -13.969,-19.281 -13.953,-19.298 -12.944,-19.995 -12.301,-20.384 -11.243,-19.326 -9.679,-19.326 D42.1
NetD43_1: D43.1 D44.3 | length 7.3
  Top Layer w0.254: D44.3 -20.788,-11.621 -20.738,-11.717 -19.995,-12.944 -19.383,-13.829 -19.292,-13.92 -17.076,-13.92 -17.002,-13.994 -16.752,-14.244 D43.1
NetD44_1: D44.1 D45.3 | length 13
  Top Layer w0.254: D44.1 -20.589,-6.847 -20.589,-5.817 -20.224,-5.452 -20.154,-5.382 -20.154,-5.224 -20.726,-2.287 -20.726,-1.342 -20.084,-0.7 -15,-0.7 -14.873,-0.827 -14.773,-0.827 -14.25,-1.35 D45.3
NetD45_1: D45.1 D46.3 | length 6.7
  Top Layer w0.254: D46.3 -13.177,5.869 -14.216,4.83 -14.477,3.999 -14.657,3.248 -14.717,2.995 -14.727,2.934 -14.546,2.804 -13.176,2.8 -13.135,2.759 -13.073,2.742 -13.073,1.773 D45.1
NetD46_1: D46.1 D47.3 | length 6.4
  Top Layer w0.254: D46.1 -10.215,7.731 -10.215,8.815 -11.291,9.891 -10.979,10.248 -10.248,10.979 -9.874,11.305 -9.195,11.305 -8.885,11.615 D47.3
NetD47_1: D47.1 D48.3 | length 6.1
  Top Layer w0.254: D47.1 -5.119,11.981 -4.305,12.795 -4.305,13.005 -4.6,13.3 -4.6,14.288 -3.999,14.477 -3.991,14.479 -3.013,14.713 -2.643,14.343 D48.3@-1.701,14.501
NetD49_1: D49.1 D50.3 | length 5.7
  Top Layer w0.254: D49.1 8.026,10.315 8.366,9.975 8.521,9.821 8.536,9.836 8.585,9.836 8.651,9.901 9.877,11.127 10.063,11.14 10.248,10.979 10.979,10.248 11.327,9.849 11.327,9.127
NetD50_1: D50.1 D51.3 | length 6
  Top Layer w0.254: D50.1 11.765,5.1 12.446,4.419 14.223,4.419 14.401,4.241 14.477,3.999 14.479,3.991 14.7,3.066 14.7,1.9 D51.3
NetD51_1: D51.1 D52.3 | length 6.2
  Top Layer w0.254: D51.1 12.75,-2.35 13.148,-2.748 13.223,-2.823 13.374,-2.823 13.662,-2.9 14.1,-2.9 14.579,-3.379 14.546,-3.518 14.283,-4.617 13.065,-5.835 D52.3
NetD52_1: D52.1 D53.3 | length 6.2
  Top Layer w0.254: D53.3 8.595,-11.4 9.7,-11.4 10.68,-10.546 10.687,-10.541 10.979,-10.248 11.1,-10.109 11.1,-9.723 10.215,-8.838 10.215,-7.731 D52.1
NetD53_1: D53.1 D54.3 | length 6.1
  Top Layer w0.254: D54.3 1.826,-14.626 1.9,-14.7 3.066,-14.7 3.999,-14.477 4.482,-14.325 4.6,-14.207 4.6,-12.483 5.119,-11.964 D53.1
NetD54_1: D54.1 D55.3 | length 6.5
  Top Layer w0.254: D55.3 -5.835,-13.065 -4.617,-14.283 -3.999,-14.477 -3.203,-14.667 -3.067,-14.667 -2.564,-14.164 -2.564,-12.899 -2.415,-12.75 D54.1
NetD55_1: D55.1 D56.3 | length 6.3
  Top Layer w0.254: D56.3 -11.4,-8.595 -11.4,-9.67 -11.4,-9.765 -11.338,-9.837 -10.979,-10.248 -10.248,-10.979 -10.01,-11.187 -9.81,-11.187 -8.838,-10.215 -7.731,-10.215 D55.1
NetD57_1: D57.1 D58.3 | length 4.6
  Top Layer w0.254: D57.1 -0.149,2.2 v1(0,2.2)
  Bottom Layer w0.254: v1(0,2.2) v1(2.2,4.4)
NetD58_1: D58.1 D59.3 | length 4.7
  Top Layer w0.254: v1(2.1,-0.208) 2.15,-0.158 2.15,0.405 2.84,1.094 D58.1
  Bottom Layer w0.254: v1(2.1,-0.208) 2.154,-0.208 3.996,-2.05 v1@4.15,-2.05
  other v1: 4.1,-2.1
NetD59_1: D59.1 D60.3 | length 4.5
  Top Layer w0.254: v1(0,-2.281) 0.01,-2.271 0.22,-2.271 D59.1
  Bottom Layer w0.254: v1(-2.2,-4.4) -2.16,-4.4 -0.041,-2.281 v1(0,-2.281)
NetLabel103: 
NetU1_3: 
RST: 
SCK: 
VBAT: C1.1 C2.1 C3.1 C4.1 C5.1 C6.1 C7.1 C8.1 C9.1 C10.1 C11.1 C12.1 C13.1 C14.1 C15.1 C16.1 C17.1 C18.1 C19.1 C20.1 C21.1 C22.1 C23.1 C24.1 C25.1 C26.1 C27.1 C28.1 C29.1 C30.1 C31.1 C32.1 C33.1 C34.1 C35.1 C36.1 C37.1 C38.1 C39.1 C40.1 C41.1 C42.1 C43.1 C44.1 C45.1 C46.1 C47.1 C48.1 C49.1 C50.1 C51.1 C52.1 C53.1 C54.1 C55.1 C56.1 C57.1 C58.1 C59.1 C60.1 D1.4 D2.4 D3.4 D4.4 D5.4 D6.4 D7.4 D8.4 D9.4 D10.4 D11.4 D12.4 D13.4 D14.4 D15.4 D16.4 D17.4 D18.4 D19.4 D20.4 D21.4 D22.4 D23.4 D24.4 D25.4 D26.4 D27.4 D28.4 D29.4 D30.4 D31.4 D32.4 D33.4 D34.4 D35.4 D36.4 D37.4 D38.4 D39.4 D40.4 D41.4 D42.4 D43.4 D44.4 D45.4 D46.4 D47.4 D48.4 D49.4 D50.4 D51.4 D52.4 D53.4 D54.4 D55.4 D56.4 D57.4 D58.4 D59.4 D60.4 P1.1 P2.1 | length 451.2
  Top Layer w0.254: C60.1 -4.58,0.05 -4.407,0.223 -3.946,0.223 D57.4 ; D60.4 -0.223,-3.946 -0.223,-4.399 -0.05,-4.572 C59.1 ; C57.1 0.05,4.58 0.223,4.407 0.223,3.946 D58.4 ; D59.4 3.969,-0.2 4.407,-0.2 4.58,-0.027 C58.1
  Bottom Layer w0.508: v1(-30.294,-1.03) v1(-30.294,-1.03) ; v1@-30.13,3.353 cw(c0,0) v1(30.3,1) 30.275,1 29.775,1.5 24.8,1.5 ; P1.1@-24.9,0 -24.9,-1.5 ; v1(-21.1,4.2) cw(c0,0) 21.491,1 21.456,1 21.256,0.8 v1(12.7,0.8) 1.291,0.8 0.605,0.113 v1(0.605,0.088) ; v1(-12.291,3.271) cw(c0.013,-0.003) 12.697,1.1 ; v1(-1.214,-0.714) -1.221,-0.707 -12.693,-0.707 v1(-12.7,-0.7) ; v1@12.291,-3.271 cw(c0,0) v1(-12.7,-0.7) ; v1@21.196,-4.219 cw(c0,0) v1(-21.6,-0.7) ; v1@21.575,1 22.075,1.5 24.8,1.5 ; P2.1@24.9,0 24.8,0.1 24.8,1.5 ; v1(30.15,-3.375) 30.14,-3.364 cw(c0.009,0) -30.259,-1.753 -30.294,-0.99 -30.276,-1.007 -29.993,-1.007 -29.5,-1.5 -24.9,-1.5 ; -24.9,-1.5 -24.1,-1.5 -23.3,-0.7 v1(-21.6,-0.7) ; v1(-21.6,-0.7) v1(-12.7,-0.7)
  other v1: 1,-30.3 3.4,-30.175 -3.4,-30.125 -5.767,-29.763 7.717,-29.318 -10,-28.625 10,-28.6 -12.242,-27.733 14.044,-26.865 16.15,-25.7 -16.125,-25.625 -18.109,-24.308 19.673,-23.061 1,-21.55 -21.375,-21.425 21.425,-21.4 -4.2,-21.2 4.2,-21.2 -7.32,-20.294 -23.061,-19.673 9.168,-19.528 24.308,-18.109 12,-18 -12,-17.9 -25.65,-16.1 25.65,-16.1 -14.527,-15.941 15.941,-14.527 -26.865,-14.044 1,-12.7 -3.3,-12.4 3.3,-12.4 27.733,-12.242 -17.9,-12 18,-12 -5.5,-11.5 7.3,-10.4 -28.6,-10 28.625,-10 -19.528,-9.168 -9.1,-9.1 9.1,-9.1 -29.318,-7.717 20.294,-7.32 -10.5,-7.2 29.763,-5.767 11.5,-5.4 -21.202,-4.2 21.1,-4.2 -30.125,-3.375 -12.4,-3.3 12.4,-3.3 21.55,1 12.4,3.3 -30.1,3.35 30.15,3.375 21.1,4.2 -11.5,5.5 -29.763,5.767 -20.294,7.32 10.4,7.4 29.318,7.717 -9.1,9.1 9.1,9.1 19.528,9.168 28.625,10 -28.6,10.025 -7.3,10.4 5.5,11.4 -17.9,12 17.9,12 -27.733,12.242 -3.3,12.4 3.3,12.4 -1,12.7 26.865,14.044 -15.941,14.527 14.527,15.941 -25.675,16.125 25.675,16.125 -12,17.9 12,17.9 -24.308,18.109 -9.168,19.528 23.061,19.673 7.32,20.294 -4.2,21.1 4.2,21.1 -21.4,21.4 21.425,21.425 -1,21.55 -19.673,23.061 18.109,24.308 -16.1,25.65 16.125,25.675 -14.044,26.865 12.242,27.733 -10,28.575 10,28.6 -7.717,29.318 5.767,29.763 -3.375,30.125 3.4,30.125 -1,30.3
copper on no net: | length 119.9
  Top Layer w0.508: -0.514,-28.987 -0.514,-24.487 ; -0.514,-19.987 -0.514,-15.487 ; -0.514,-11.487 -0.514,-7 ; -0.5,6.5 -0.5,11.5 ; -0.5,15.5 -0.5,20 ; -0.5,24.5 -0.5,29 ; 0.486,-28.987 0.486,-24.487 ; 0.486,-19.987 0.486,-15.487 ; 0.486,-11.487 0.486,-7 ; 0.5,6.5 0.5,11.5 ; 0.5,15.5 0.5,20 ; 0.5,24.5 0.5,29
  Bottom Layer w0.508: -0.514,-28.987 -0.514,-24.487 ; -0.514,-19.987 -0.514,-15.487 ; -0.514,-11.487 -0.5,-4.5 ; -0.5,4 -0.5,11.5 ; -0.5,15.5 -0.5,20 ; -0.5,24.5 -0.5,29 ; 0.486,-28.987 0.486,-24.487 ; 0.486,-19.987 0.486,-15.487 ; 0.486,-11.487 0.5,-4.5 ; 0.5,4 0.5,11.5 ; 0.5,15.5 0.5,20 ; 0.5,24.5 0.5,29

## Polygon pours and split planes (outlines as drawn)
VBAT on Top Layer "VBAT_L01_P001" (solid, pour order 1): -2.2,2.5 -1.3,1.6 0.3,1.6 1.7,3 2.5,2.2 1.5,1.2 1.5,-0.5 2.9,-1.9 2.3,-2.5 2.2,-2.5 1.2,-1.5 1.186,-1.514 -0.314,-1.514 -1.7,-2.9 -2.4,-2.2 -2.4,-2 -1.65,-1.25 -3.6,0.7 -3.6,1.1

## Silkscreen, mask and mechanical layers (free items; w line width, h text height)
Board Outline:
  circle w0.254: c0,0 r33
  lines w0.254: -29.131,-2.009 ccw(c0,0) -1.508,-29.161 ; -29.131,-2 -24.116,-2 ; -29.131,2 -24.116,2 ; -29.131,2.009 cw(c0,0) -1.508,29.161 ; -24.116,-2.01 ccw(c0,0) -1.51,-24.153 -1.51,-29.16 ; -24.116,2.01 cw(c0,0) -1.51,24.153 -1.51,29.16 ; -11.503,-1.5 ccw(c0,0) -1.5,-11.503 ; -11.502,-1.5 -6.427,-1.5 ccw(c0,0) -1.5,-6.427 -1.5,-11.502 ; -1.5,11.503 ccw(c0,0) -11.503,1.5 -6.427,1.5 cw(c0,0) -1.5,6.427 -1.5,11.502 ; 1.508,-29.161 ccw(c0,0) 29.131,-2.009 ; 1.508,29.161 cw(c0,0) 29.131,2.009 ; 1.51,-29.16 1.51,-24.153 ccw(c0,0) 24.116,-2.01 ; 1.51,29.16 1.51,24.153 cw(c0,0) 24.116,2.01 ; 11.503,-1.5 cw(c0,0) 1.5,-11.503 1.5,-6.427 ccw(c0,0) 6.427,-1.5 11.502,-1.5 ; 24.116,-2 29.131,-2 ; 24.116,2 29.131,2 ; -20.345,-1.5 ccw(c0,0) -1.5,-20.345 -1.5,-15.327 cw(c0,0) -15.327,-1.5 -20.345,-1.5 ; -20.345,1.5 cw(c0,0) -1.5,20.345 -1.5,15.327 ccw(c0,0) -15.327,1.5 -20.345,1.5 ; 1.5,-20.345 ccw(c0,0) 20.345,-1.5 15.327,-1.5 cw(c0,0) 1.5,-15.327 1.5,-20.345 ; 1.5,6.427 cw(c0,0) 6.427,1.5 11.502,1.5 ccw(c0,0) 1.5,11.503 1.5,6.427 ; 1.5,15.327 cw(c0,0) 15.327,1.5 20.345,1.5 ccw(c0,0) 1.5,20.345 1.5,15.327